# KiCad board pcb.kicad_pcb (continued)
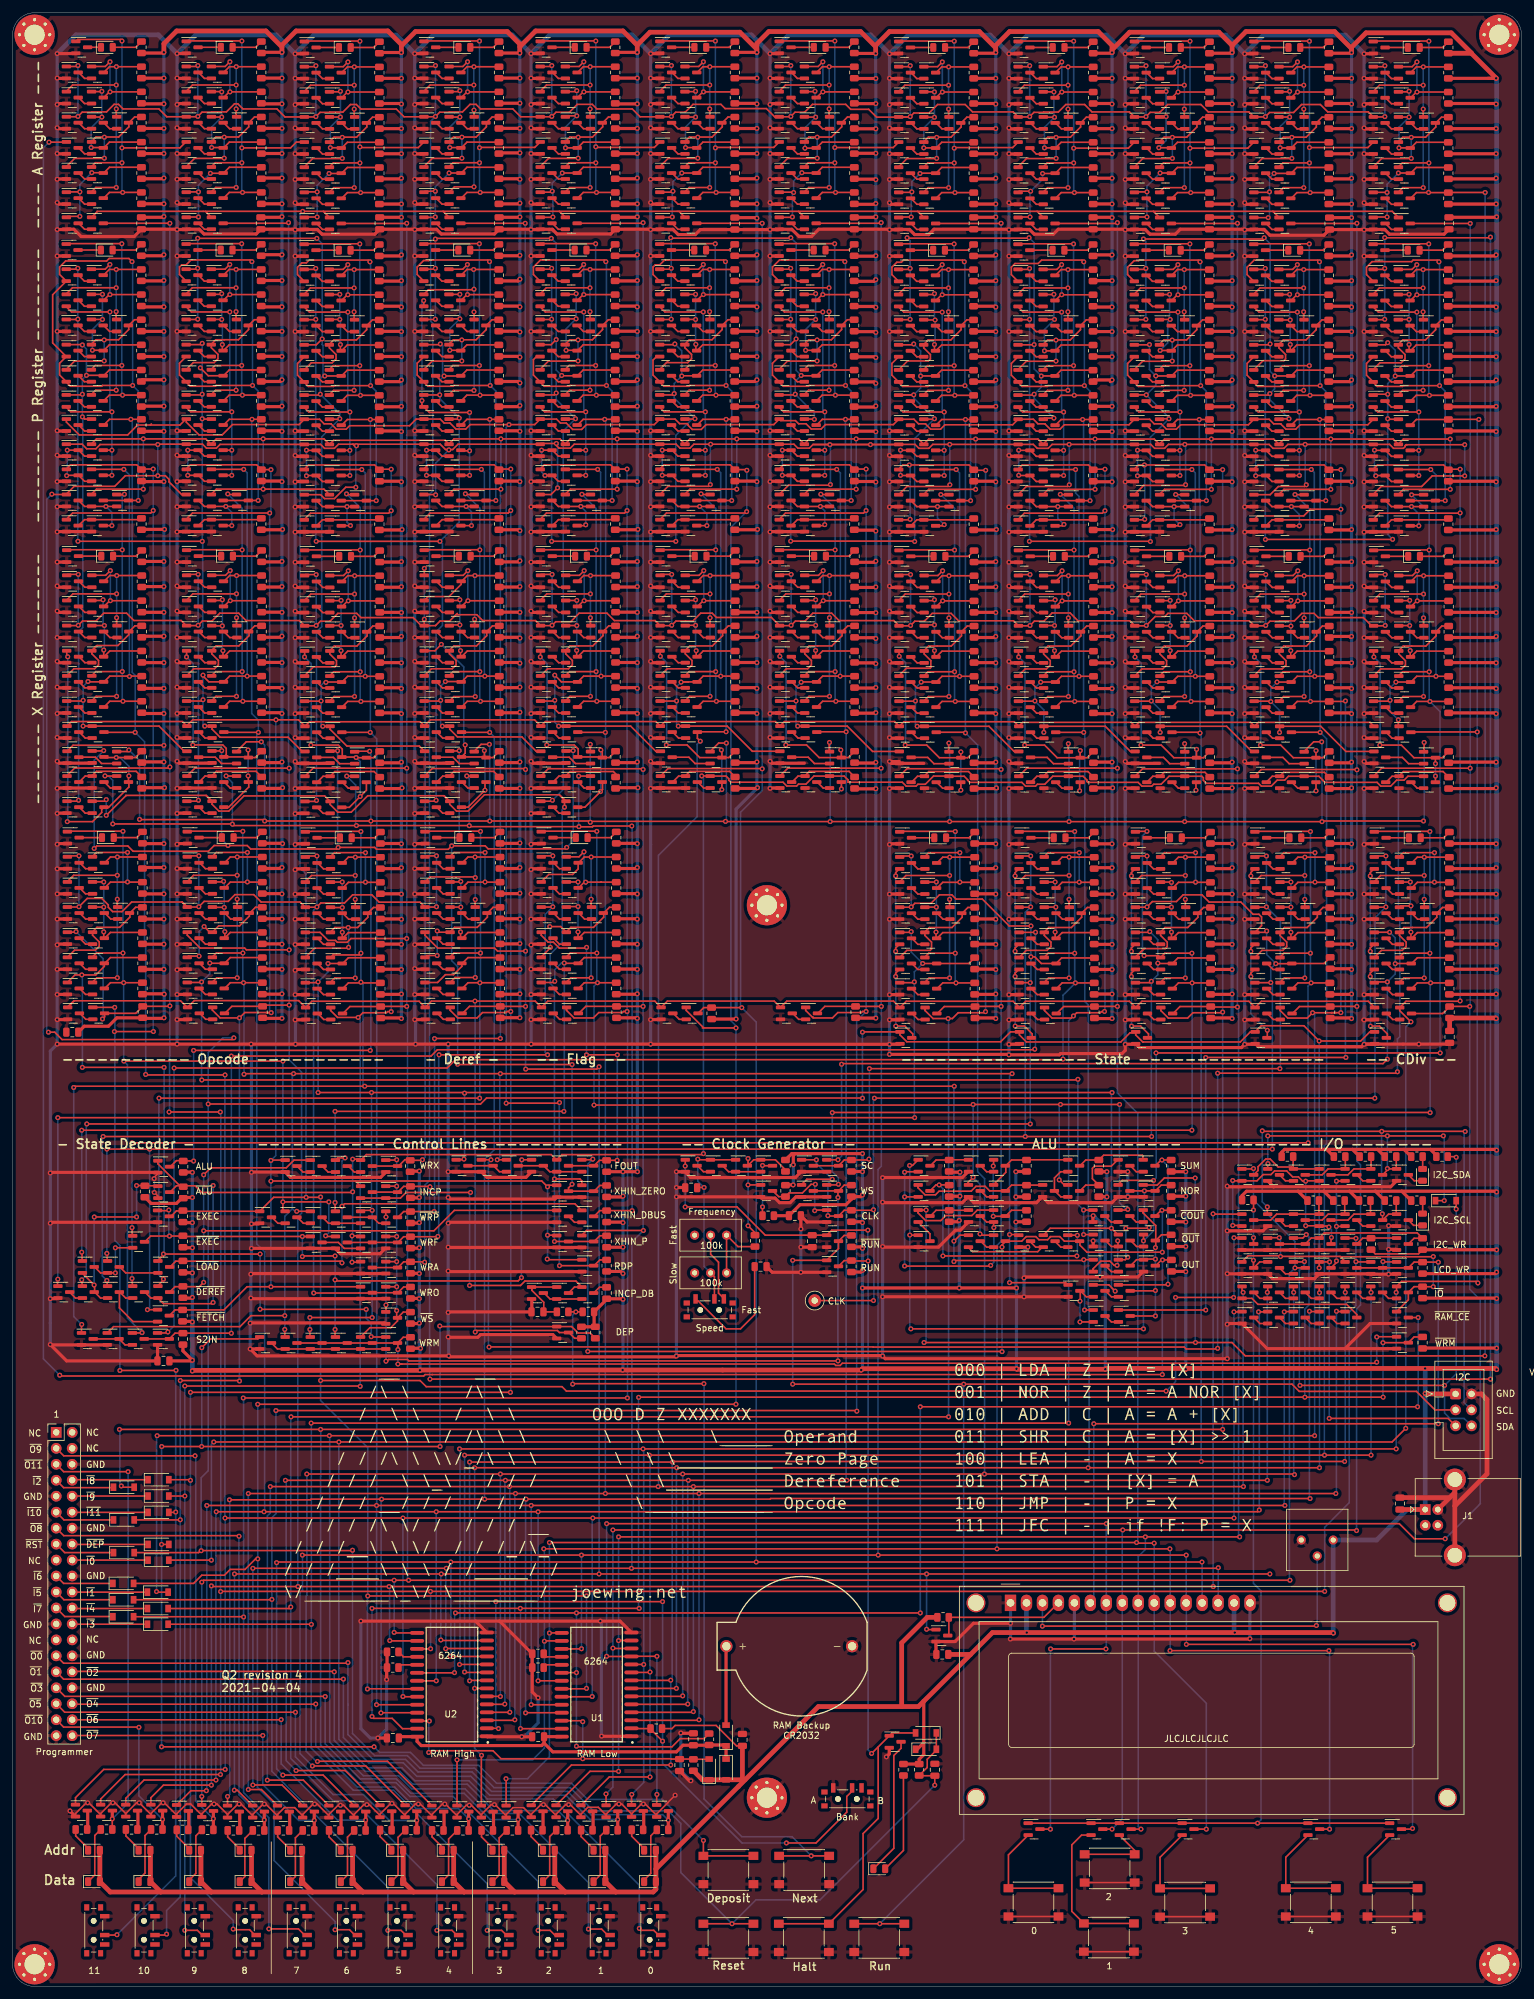
[diagram p0: board, top side]
## Nets (continued)
Net-(Q503-Pad2): Q503.2 Q504.2 Q507.3
Net-(Q510-Pad2): Q510.2 Q511.3
Net-(Q512-Pad2): Q512.2 Q513.3
Net-(Q514-Pad2): Q514.2 Q515.2 Q518.3 Q519.3
Net-(Q516-Pad2): Q516.2 Q517.2 Q520.3 Q521.3
Net-(Q521-Pad1): Q521.1 Q522.3 R220.2
Net-(Q523-Pad1): Q523.1 Q526.1 Q529.3 Q532.1 R225.2
Net-(Q523-Pad2): Q523.2 Q525.3
Net-(Q524-Pad1): Q524.1 Q533.1 Q535.3 R227.2
Net-(Q524-Pad2): Q524.2 Q526.3
Net-(Q524-Pad3): Q524.3 Q529.1 R222.2
Net-(Q528-Pad2): Q528.2 Q530.3
Net-(Q529-Pad2): Q529.2 Q531.3
Net-(Q530-Pad1): Q530.1 Q532.3 Q535.1 R226.2
Net-(Q532-Pad2): Q532.2 Q533.3
Net-(Q533-Pad2): Q533.2 Q534.3
Net-(Q535-Pad2): Q535.2 Q536.3
Net-(Q537-Pad2): Q537.2 Q538.3
Net-(Q539-Pad1): Q539.1 Q542.1 Q545.3 Q548.1 R232.2
Net-(Q539-Pad2): Q539.2 Q541.3
Net-(Q540-Pad1): Q540.1 Q549.1 Q551.3 R234.2
Net-(Q540-Pad2): Q540.2 Q542.3
Net-(Q540-Pad3): Q540.3 Q545.1 R229.2
Net-(Q544-Pad2): Q544.2 Q546.3
Net-(Q545-Pad2): Q545.2 Q547.3
Net-(Q546-Pad1): Q546.1 Q548.3 Q551.1 R233.2
Net-(Q548-Pad2): Q548.2 Q549.3
Net-(Q549-Pad2): Q549.2 Q550.3
Net-(Q551-Pad2): Q551.2 Q552.3
Net-(Q553-Pad2): Q553.2 Q558.3
Net-(Q554-Pad2): Q554.2 Q559.3
Net-(Q555-Pad2): Q555.2 Q560.3
Net-(Q556-Pad2): Q556.2 Q561.3
Net-(Q558-Pad1): Q558.1 Q562.3 R236.2
Net-(Q563-Pad1): Q563.1 Q566.1 Q569.3 Q572.1 R241.2
Net-(Q563-Pad2): Q563.2 Q565.3
Net-(Q564-Pad1): Q564.1 Q573.1 Q575.3 R243.2
Net-(Q564-Pad2): Q564.2 Q566.3
Net-(Q564-Pad3): Q564.3 Q569.1 R238.2
Net-(Q568-Pad2): Q568.2 Q570.3
Net-(Q569-Pad2): Q569.2 Q571.3
Net-(Q570-Pad1): Q570.1 Q572.3 Q575.1 R242.2
Net-(Q572-Pad2): Q572.2 Q573.3
Net-(Q573-Pad2): Q573.2 Q574.3
Net-(Q575-Pad2): Q575.2 Q576.3
Net-(Q577-Pad1): Q577.1 Q580.1 Q583.3 Q586.1 R248.2
Net-(Q577-Pad2): Q577.2 Q579.3
Net-(Q578-Pad1): Q578.1 Q587.1 Q589.3 R250.2
Net-(Q578-Pad2): Q578.2 Q580.3
Net-(Q578-Pad3): Q578.3 Q583.1 R245.2
Net-(Q582-Pad2): Q582.2 Q584.3
Net-(Q583-Pad2): Q583.2 Q585.3
Net-(Q584-Pad1): Q584.1 Q586.3 Q589.1 R249.2
Net-(Q586-Pad2): Q586.2 Q587.3
Net-(Q587-Pad2): Q587.2 Q588.3
Net-(Q589-Pad2): Q589.2 Q590.3
Net-(Q591-Pad2): Q591.2 Q592.3
Net-(Q594-Pad2): Q594.2 Q595.3
Net-(Q596-Pad2): Q596.2 Q597.2 Q600.3 Q601.3
Net-(Q598-Pad2): Q598.2 Q599.2 Q602.3 Q603.3
Net-(Q603-Pad1): Q603.1 Q604.3 R254.2
Net-(Q605-Pad1): Q605.1 Q608.1 Q611.3 Q614.1 R259.2
Net-(Q605-Pad2): Q605.2 Q607.3
Net-(Q606-Pad1): Q606.1 Q615.1 Q617.3 R261.2
Net-(Q606-Pad2): Q606.2 Q608.3
Net-(Q606-Pad3): Q606.3 Q611.1 R256.2
Net-(Q610-Pad2): Q610.2 Q612.3
Net-(Q611-Pad2): Q611.2 Q613.3
Net-(Q612-Pad1): Q612.1 Q614.3 Q617.1 R260.2
Net-(Q614-Pad2): Q614.2 Q615.3
Net-(Q615-Pad2): Q615.2 Q616.3
Net-(Q617-Pad2): Q617.2 Q618.3
Net-(Q619-Pad2): Q619.2 Q620.3
Net-(Q621-Pad1): Q621.1 Q624.1 Q627.3 Q630.1 R266.2
Net-(Q621-Pad2): Q621.2 Q623.3
Net-(Q622-Pad1): Q622.1 Q631.1 Q633.3 R268.2
Net-(Q622-Pad2): Q622.2 Q624.3
Net-(Q622-Pad3): Q622.3 Q627.1 R263.2
Net-(Q626-Pad2): Q626.2 Q628.3
Net-(Q627-Pad2): Q627.2 Q629.3
Net-(Q628-Pad1): Q628.1 Q630.3 Q633.1 R267.2
Net-(Q630-Pad2): Q630.2 Q631.3
Net-(Q631-Pad2): Q631.2 Q632.3
Net-(Q633-Pad2): Q633.2 Q634.3
Net-(Q635-Pad2): Q635.2 Q639.3
Net-(Q636-Pad2): Q636.2 Q640.3
Net-(Q637-Pad2): Q637.2 Q641.3
Net-(Q638-Pad3): Q638.3 Q639.1 R270.2
Net-(Q642-Pad1): Q642.1 Q645.1 Q648.3 Q651.1 R275.2
Net-(Q642-Pad2): Q642.2 Q644.3
Net-(Q643-Pad1): Q643.1 Q652.1 Q654.3 R277.2
Net-(Q643-Pad2): Q643.2 Q645.3
Net-(Q643-Pad3): Q643.3 Q648.1 R272.2
Net-(Q647-Pad2): Q647.2 Q649.3
Net-(Q648-Pad2): Q648.2 Q650.3
Net-(Q649-Pad1): Q649.1 Q651.3 Q654.1 R276.2
Net-(Q651-Pad2): Q651.2 Q652.3
Net-(Q652-Pad2): Q652.2 Q653.3
Net-(Q654-Pad2): Q654.2 Q655.3
Net-(Q656-Pad1): Q656.1 Q659.1 Q662.3 Q665.1 R282.2
Net-(Q656-Pad2): Q656.2 Q658.3
Net-(Q657-Pad1): Q657.1 Q666.1 Q668.3 R284.2
Net-(Q657-Pad2): Q657.2 Q659.3
Net-(Q657-Pad3): Q657.3 Q662.1 R279.2
Net-(Q661-Pad2): Q661.2 Q663.3
Net-(Q662-Pad2): Q662.2 Q664.3
Net-(Q663-Pad1): Q663.1 Q665.3 Q668.1 R283.2
Net-(Q665-Pad2): Q665.2 Q666.3
Net-(Q666-Pad2): Q666.2 Q667.3
Net-(Q668-Pad2): Q668.2 Q669.3
Net-(Q674-Pad2): Q674.2 Q675.3
Net-(Q675-Pad2): Q675.2 Q676.3
Net-(Q676-Pad2): Q676.2 Q677.3
Net-(Q677-Pad2): Q677.2 Q680.3
Net-(Q680-Pad2): Q680.2 Q681.3
Net-(Q681-Pad2): Q681.2 Q682.3
Net-(Q682-Pad2): Q682.2 Q683.3
Net-(Q683-Pad2): Q683.2 Q684.3
Net-(Q684-Pad2): Q684.2 Q685.3
Net-(Q685-Pad2): Q685.2 Q686.3
Net-(Q686-Pad2): Q686.2 Q687.3
Net-(Q688-Pad2): Q688.2 Q689.3
Net-(Q690-Pad2): Q690.2 Q691.3
Net-(Q692-Pad2): Q692.2 Q693.2 Q696.3 Q697.3
Net-(Q694-Pad2): Q694.2 Q695.2 Q698.3 Q699.3
Net-(Q699-Pad1): Q699.1 Q700.3 R301.2
Net-(Q701-Pad1): Q701.1 Q704.1 Q707.3 Q710.1 R306.2
Net-(Q701-Pad2): Q701.2 Q703.3
Net-(Q702-Pad1): Q702.1 Q711.1 Q713.3 R308.2
Net-(Q702-Pad2): Q702.2 Q704.3
Net-(Q702-Pad3): Q702.3 Q707.1 R303.2
Net-(Q706-Pad2): Q706.2 Q708.3
Net-(Q707-Pad2): Q707.2 Q709.3
Net-(Q708-Pad1): Q708.1 Q710.3 Q713.1 R307.2
Net-(Q710-Pad2): Q710.2 Q711.3
Net-(Q711-Pad2): Q711.2 Q712.3
Net-(Q713-Pad2): Q713.2 Q714.3
Net-(Q715-Pad2): Q715.2 Q716.3
Net-(Q717-Pad1): Q717.1 Q720.1 Q723.3 Q726.1 R313.2
Net-(Q717-Pad2): Q717.2 Q719.3
Net-(Q718-Pad1): Q718.1 Q727.1 Q729.3 R315.2
Net-(Q718-Pad2): Q718.2 Q720.3
Net-(Q718-Pad3): Q718.3 Q723.1 R310.2
Net-(Q722-Pad2): Q722.2 Q724.3
Net-(Q723-Pad2): Q723.2 Q725.3
Net-(Q724-Pad1): Q724.1 Q726.3 Q729.1 R314.2
Net-(Q726-Pad2): Q726.2 Q727.3
Net-(Q727-Pad2): Q727.2 Q728.3
Net-(Q729-Pad2): Q729.2 Q730.3
Net-(Q731-Pad2): Q731.2 Q736.3
Net-(Q732-Pad2): Q732.2 Q737.3
Net-(Q733-Pad2): Q733.2 Q738.3
Net-(Q734-Pad2): Q734.2 Q739.3
Net-(Q736-Pad1): Q736.1 Q740.3 R317.2
Net-(Q741-Pad1): Q741.1 Q744.1 Q747.3 Q750.1 R322.2
Net-(Q741-Pad2): Q741.2 Q743.3
Net-(Q742-Pad1): Q742.1 Q751.1 Q753.3 R324.2
Net-(Q742-Pad2): Q742.2 Q744.3
Net-(Q742-Pad3): Q742.3 Q747.1 R319.2
Net-(Q746-Pad2): Q746.2 Q748.3
Net-(Q747-Pad2): Q747.2 Q749.3
Net-(Q748-Pad1): Q748.1 Q750.3 Q753.1 R323.2
Net-(Q750-Pad2): Q750.2 Q751.3
Net-(Q751-Pad2): Q751.2 Q752.3
Net-(Q753-Pad2): Q753.2 Q754.3
Net-(Q755-Pad1): Q755.1 Q758.1 Q761.3 Q764.1 R329.2
Net-(Q755-Pad2): Q755.2 Q757.3
Net-(Q756-Pad1): Q756.1 Q765.1 Q767.3 R331.2
Net-(Q756-Pad2): Q756.2 Q758.3
Net-(Q756-Pad3): Q756.3 Q761.1 R326.2
Net-(Q760-Pad2): Q760.2 Q762.3
Net-(Q761-Pad2): Q761.2 Q763.3
Net-(Q762-Pad1): Q762.1 Q764.3 Q767.1 R330.2
Net-(Q764-Pad2): Q764.2 Q765.3
Net-(Q765-Pad2): Q765.2 Q766.3
Net-(Q767-Pad2): Q767.2 Q768.3
Net-(Q769-Pad2): Q769.2 Q770.3
Net-(Q772-Pad2): Q772.2 Q773.3
Net-(Q774-Pad2): Q774.2 Q775.2 Q778.3 Q779.3
Net-(Q776-Pad2): Q776.2 Q777.2 Q780.3 Q781.3
Net-(Q781-Pad1): Q781.1 Q782.3 R335.2
Net-(Q783-Pad1): Q783.1 Q786.1 Q789.3 Q792.1 R340.2
Net-(Q783-Pad2): Q783.2 Q785.3
Net-(Q784-Pad1): Q784.1 Q793.1 Q795.3 R342.2
Net-(Q784-Pad2): Q784.2 Q786.3
Net-(Q784-Pad3): Q784.3 Q789.1 R337.2
Net-(Q788-Pad2): Q788.2 Q790.3
Net-(Q789-Pad2): Q789.2 Q791.3
Net-(Q790-Pad1): Q790.1 Q792.3 Q795.1 R341.2
Net-(Q792-Pad2): Q792.2 Q793.3
Net-(Q793-Pad2): Q793.2 Q794.3
Net-(Q795-Pad2): Q795.2 Q796.3
Net-(Q797-Pad2): Q797.2 Q798.3
Net-(Q799-Pad1): Q799.1 Q802.1 Q805.3 Q808.1 R347.2
Net-(Q799-Pad2): Q799.2 Q801.3
Net-(Q800-Pad1): Q800.1 Q809.1 Q811.3 R349.2
Net-(Q800-Pad2): Q800.2 Q802.3
Net-(Q800-Pad3): Q800.3 Q805.1 R344.2
Net-(Q804-Pad2): Q804.2 Q806.3
Net-(Q805-Pad2): Q805.2 Q807.3
Net-(Q806-Pad1): Q806.1 Q808.3 Q811.1 R348.2
Net-(Q808-Pad2): Q808.2 Q809.3
Net-(Q809-Pad2): Q809.2 Q810.3
Net-(Q811-Pad2): Q811.2 Q812.3
Net-(Q813-Pad2): Q813.2 Q817.3
Net-(Q814-Pad2): Q814.2 Q818.3
Net-(Q815-Pad2): Q815.2 Q819.3
Net-(Q816-Pad3): Q816.3 Q817.1 R351.2
Net-(Q820-Pad1): Q820.1 Q823.1 Q826.3 Q829.1 R356.2
Net-(Q820-Pad2): Q820.2 Q822.3
Net-(Q821-Pad1): Q821.1 Q830.1 Q832.3 R358.2
Net-(Q821-Pad2): Q821.2 Q823.3
Net-(Q821-Pad3): Q821.3 Q826.1 R353.2
Net-(Q825-Pad2): Q825.2 Q827.3
Net-(Q826-Pad2): Q826.2 Q828.3
Net-(Q827-Pad1): Q827.1 Q829.3 Q832.1 R357.2
Net-(Q829-Pad2): Q829.2 Q830.3
Net-(Q830-Pad2): Q830.2 Q831.3
Net-(Q832-Pad2): Q832.2 Q833.3
Net-(Q834-Pad1): Q834.1 Q837.1 Q840.3 Q843.1 R363.2
Net-(Q834-Pad2): Q834.2 Q836.3
Net-(Q835-Pad1): Q835.1 Q844.1 Q846.3 R365.2
Net-(Q835-Pad2): Q835.2 Q837.3
Net-(Q835-Pad3): Q835.3 Q840.1 R360.2
Net-(Q839-Pad2): Q839.2 Q841.3
Net-(Q840-Pad2): Q840.2 Q842.3
Net-(Q841-Pad1): Q841.1 Q843.3 Q846.1 R364.2
Net-(Q843-Pad2): Q843.2 Q844.3
Net-(Q844-Pad2): Q844.2 Q845.3
Net-(Q846-Pad2): Q846.2 Q847.3
Net-(Q850-Pad3): Q850.3 Q852.1 R484.2
Net-(Q856-Pad2): Q856.2 SW14.1
Net-(Q857-Pad2): Q857.2 SW15.1
Net-(Q858-Pad2): Q858.2 SW16.1
Net-(Q859-Pad2): Q859.2 SW17.1
Net-(Q860-Pad2): Q860.2 SW18.1
Net-(Q861-Pad2): Q861.2 SW19.1
Net-(Q862-Pad3): Q862.3 R372.2
Net-(Q864-Pad3): Q864.3 R374.2
Net-(Q866-Pad3): Q866.3 R376.2
Net-(Q868-Pad3): Q868.3 R378.2
Net-(Q870-Pad3): Q870.3 R380.2
Net-(Q872-Pad3): Q872.3 R382.2
Net-(Q874-Pad3): Q874.3 R384.2
Net-(Q876-Pad3): Q876.3 R386.2
Net-(Q878-Pad3): Q878.3 R388.2
Net-(Q880-Pad3): Q880.3 R390.2
Net-(Q882-Pad3): Q882.3 R392.2
Net-(Q884-Pad3): Q884.3 R394.2
Net-(Q886-Pad2): Q886.2 Q887.3
Net-(Q889-Pad2): Q889.2 Q890.3
Net-(Q891-Pad2): Q891.2 Q892.2 Q895.3 Q896.3
Net-(Q893-Pad2): Q893.2 Q894.2 Q897.3 Q898.3
Net-(Q898-Pad1): Q898.1 Q899.3 R399.2
Net-(Q900-Pad1): Q900.1 Q903.1 Q906.3 Q909.1 R404.2
Net-(Q900-Pad2): Q900.2 Q902.3
Net-(Q901-Pad1): Q901.1 Q910.1 Q912.3 R406.2
Net-(Q901-Pad2): Q901.2 Q903.3
Net-(Q901-Pad3): Q901.3 Q906.1 R401.2
Net-(Q905-Pad2): Q905.2 Q907.3
Net-(Q906-Pad2): Q906.2 Q908.3
Net-(Q907-Pad1): Q907.1 Q909.3 Q912.1 R405.2
Net-(Q909-Pad2): Q909.2 Q910.3
Net-(Q910-Pad2): Q910.2 Q911.3
Net-(Q912-Pad2): Q912.2 Q913.3
Net-(Q914-Pad2): Q914.2 Q915.3
Net-(Q916-Pad1): Q916.1 Q919.1 Q922.3 Q925.1 R411.2
Net-(Q916-Pad2): Q916.2 Q918.3
Net-(Q917-Pad1): Q917.1 Q926.1 Q928.3 R413.2
Net-(Q917-Pad2): Q917.2 Q919.3
Net-(Q917-Pad3): Q917.3 Q922.1 R408.2
Net-(Q921-Pad2): Q921.2 Q923.3
Net-(Q922-Pad2): Q922.2 Q924.3
Net-(Q923-Pad1): Q923.1 Q925.3 Q928.1 R412.2
Net-(Q925-Pad2): Q925.2 Q926.3
Net-(Q926-Pad2): Q926.2 Q927.3
Net-(Q928-Pad2): Q928.2 Q929.3
Net-(Q930-Pad2): Q930.2 Q934.3
Net-(Q931-Pad2): Q931.2 Q935.3
Net-(Q932-Pad2): Q932.2 Q936.3
Net-(Q933-Pad3): Q933.3 Q934.1 R415.2
Net-(Q937-Pad1): Q937.1 Q940.1 Q943.3 Q946.1 R420.2
Net-(Q937-Pad2): Q937.2 Q939.3
Net-(Q938-Pad1): Q938.1 Q947.1 Q949.3 R422.2
Net-(Q938-Pad2): Q938.2 Q940.3
Net-(Q938-Pad3): Q938.3 Q943.1 R417.2
Net-(Q942-Pad2): Q942.2 Q944.3
Net-(Q943-Pad2): Q943.2 Q945.3
Net-(Q944-Pad1): Q944.1 Q946.3 Q949.1 R421.2
Net-(Q946-Pad2): Q946.2 Q947.3
Net-(Q947-Pad2): Q947.2 Q948.3
Net-(Q949-Pad2): Q949.2 Q950.3
Net-(Q951-Pad2): Q951.2 Q952.3
Net-(Q953-Pad1): Q953.1 Q956.1 Q959.3 Q962.1 R429.2
Net-(Q953-Pad2): Q953.2 Q955.3
Net-(Q954-Pad1): Q954.1 Q963.1 Q965.3 R431.2
Net-(Q954-Pad2): Q954.2 Q956.3
Net-(Q954-Pad3): Q954.3 Q959.1 R426.2
Net-(Q958-Pad2): Q958.2 Q960.3
Net-(Q959-Pad2): Q959.2 Q961.3
Net-(Q960-Pad1): Q960.1 Q962.3 Q965.1 R430.2
Net-(Q962-Pad2): Q962.2 Q963.3
Net-(Q963-Pad2): Q963.2 Q964.3
Net-(Q965-Pad2): Q965.2 Q966.3
Net-(Q967-Pad2): Q967.2 Q968.3
Net-(Q969-Pad1): Q969.1 Q972.1 Q975.3 Q978.1 R438.2
Net-(Q969-Pad2): Q969.2 Q971.3
Net-(Q970-Pad1): Q970.1 Q979.1 Q981.3 R440.2
Net-(Q970-Pad2): Q970.2 Q972.3
Net-(Q970-Pad3): Q970.3 Q975.1 R435.2
Net-(Q974-Pad2): Q974.2 Q976.3
Net-(Q975-Pad2): Q975.2 Q977.3
Net-(Q976-Pad1): Q976.1 Q978.3 Q981.1 R439.2
Net-(Q978-Pad2): Q978.2 Q979.3
Net-(Q979-Pad2): Q979.2 Q980.3
Net-(Q981-Pad2): Q981.2 Q982.3
Net-(Q983-Pad2): Q983.2 Q987.3
Net-(Q984-Pad2): Q984.2 Q988.3
Net-(Q985-Pad2): Q985.2 Q989.3
Net-(Q986-Pad3): Q986.3 Q987.1 R442.2
Net-(Q990-Pad1): Q990.1 Q993.1 Q996.3 Q999.1 R447.2
Net-(Q990-Pad2): Q990.2 Q992.3
Net-(Q991-Pad2): Q991.2 Q993.3
Net-(Q991-Pad3): Q991.3 Q996.1 R444.2
Net-(Q995-Pad2): Q995.2 Q997.3
Net-(Q996-Pad2): Q996.2 Q998.3
Net-(Q1000-Pad1): Q991.1 Q1000.1 Q1002.3 R449.2
Net-(Q1000-Pad2): Q1000.2 Q1001.3
Net-(Q1000-Pad3): Q999.2 Q1000.3
Net-(Q1002-Pad1): Q997.1 Q999.3 Q1002.1 R448.2
Net-(Q1002-Pad2): Q1002.2 Q1003.3
Net-(Q1004-Pad2): Q1004.2 Q1005.3
Net-(Q1006-Pad2): Q1006.2 Q1007.3
Net-(Q1008-Pad2): Q1008.2 Q1009.2 Q1012.3 Q1013.3
Net-(Q1010-Pad2): Q1010.2 Q1011.2 Q1014.3 Q1015.3
Net-(Q1015-Pad1): Q1015.1 Q1016.3 R451.2
Net-(Q1017-Pad1): Q1017.1 Q1020.1 Q1023.3 Q1026.1 R456.2
Net-(Q1017-Pad2): Q1017.2 Q1019.3
Net-(Q1018-Pad1): Q1018.1 Q1027.1 Q1029.3 R458.2
Net-(Q1018-Pad2): Q1018.2 Q1020.3
Net-(Q1018-Pad3): Q1018.3 Q1023.1 R453.2
Net-(Q1022-Pad2): Q1022.2 Q1024.3
Net-(Q1023-Pad2): Q1023.2 Q1025.3
Net-(Q1024-Pad1): Q1024.1 Q1026.3 Q1029.1 R457.2
Net-(Q1026-Pad2): Q1026.2 Q1027.3
Net-(Q1027-Pad2): Q1027.2 Q1028.3
Net-(Q1029-Pad2): Q1029.2 Q1030.3
Net-(Q1031-Pad2): Q1031.2 Q1032.3
Net-(Q1033-Pad1): Q1033.1 Q1036.1 Q1039.3 Q1042.1 R463.2
Net-(Q1033-Pad2): Q1033.2 Q1035.3
Net-(Q1034-Pad1): Q1034.1 Q1043.1 Q1045.3 R465.2
Net-(Q1034-Pad2): Q1034.2 Q1036.3
Net-(Q1034-Pad3): Q1034.3 Q1039.1 R460.2
Net-(Q1038-Pad2): Q1038.2 Q1040.3
Net-(Q1039-Pad2): Q1039.2 Q1041.3
Net-(Q1040-Pad1): Q1040.1 Q1042.3 Q1045.1 R464.2
Net-(Q1042-Pad2): Q1042.2 Q1043.3
Net-(Q1043-Pad2): Q1043.2 Q1044.3
Net-(Q1045-Pad2): Q1045.2 Q1046.3
Net-(Q1047-Pad2): Q1047.2 Q1051.3
Net-(Q1048-Pad2): Q1048.2 Q1052.3
Net-(Q1049-Pad2): Q1049.2 Q1053.3
Net-(Q1050-Pad3): Q1050.3 Q1051.1 R467.2
Net-(Q1054-Pad1): Q1054.1 Q1057.1 Q1060.3 Q1063.1 R472.2
Net-(Q1054-Pad2): Q1054.2 Q1056.3
Net-(Q1055-Pad1): Q1055.1 Q1064.1 Q1066.3 R474.2
Net-(Q1055-Pad2): Q1055.2 Q1057.3
Net-(Q1055-Pad3): Q1055.3 Q1060.1 R469.2
Net-(Q1059-Pad2): Q1059.2 Q1061.3
Net-(Q1060-Pad2): Q1060.2 Q1062.3
Net-(Q1061-Pad1): Q1061.1 Q1063.3 Q1066.1 R473.2
Net-(Q1063-Pad2): Q1063.2 Q1064.3
Net-(Q1064-Pad2): Q1064.2 Q1065.3
Net-(Q1066-Pad2): Q1066.2 Q1067.3
Net-(Q1068-Pad1): Q1068.1 Q1071.1 Q1074.3 Q1077.1 R479.2
Net-(Q1068-Pad2): Q1068.2 Q1070.3
Net-(Q1069-Pad1): Q1069.1 Q1078.1 Q1080.3 R481.2
Net-(Q1069-Pad2): Q1069.2 Q1071.3
Net-(Q1069-Pad3): Q1069.3 Q1074.1 R476.2
Net-(Q1073-Pad2): Q1073.2 Q1075.3
Net-(Q1074-Pad2): Q1074.2 Q1076.3
Net-(Q1075-Pad1): Q1075.1 Q1077.3 Q1080.1 R480.2
Net-(Q1077-Pad2): Q1077.2 Q1078.3
Net-(Q1078-Pad2): Q1078.2 Q1079.3
Net-(Q1080-Pad2): Q1080.2 Q1081.3
Net-(Q1082-Pad2): Q1082.2 Q1083.3
Net-(Q1084-Pad2): Q1084.2 Q1085.2 Q1088.3 Q1089.3
Net-(Q1086-Pad2): Q1086.2 Q1087.2 Q1090.3 Q1091.3
Net-(Q1091-Pad1): Q1091.1 Q1092.3 R483.2
Net-(Q1093-Pad3): Q97.2 Q1093.3
Net-(Q1094-Pad2): Q127.3 Q1094.2
Net-(Q1094-Pad3): Q121.2 Q1094.3
Net-(Q1095-Pad3): Q854.2 Q1095.3
Net-(Q1098-Pad1): Q854.1 Q855.3 Q1098.1 R487.2
Net-(Q1098-Pad2): Q855.2 Q1098.2 Q1104.2 Q1106.2 Q1108.3
Net-(Q1098-Pad3): Q1098.3 Q1099.1 R489.2
Net-(Q1099-Pad2): Q1099.2 Q1101.3
Net-(Q1100-Pad2): Q1100.2 Q1102.3
Net-(Q1101-Pad1): Q854.3 Q1101.1 R486.2
Net-(Q1103-Pad1): Q1103.1 Q1104.3 Q1106.1 R492.2
Net-(Q1103-Pad2): Q1103.2 Q1105.3
Net-(Q1103-Pad3): Q1103.3 Q1109.1 R491.2
Net-(Q1106-Pad3): Q1106.3 Q1107.1 R493.2
Net-(Q1107-Pad2): Q1107.2 Q1109.3
Net-(R127-Pad1): R127.1 RV1.3 RV2.3
Net-(R292-Pad1): R292.1 U1.18
Net-(R293-Pad1): R293.1 U2.18
Net-(R294-Pad1): R294.1 U1.19
Net-(R295-Pad1): R295.1 U2.19
Net-(RV2-Pad2): RV2.2 SW1.3

Pads without a net: J1 2 3; J2 1 2 4 17 27 28; RV1 1; RV2 1; SW2 3; SW20 3; SW21 3; SW22 3; SW23 3; SW24 3; SW25 3; SW26 3; SW27 3; SW28 3; SW29 3; SW30 3; SW31 3

## Via types
v1: diameter 0.8, hole 0.4, Top to Bottom, 2895 vias
